# Altium PCB ESP32-SIM800C_Nhut_Hoang.PcbDoc (part 1 of 2) (continued)
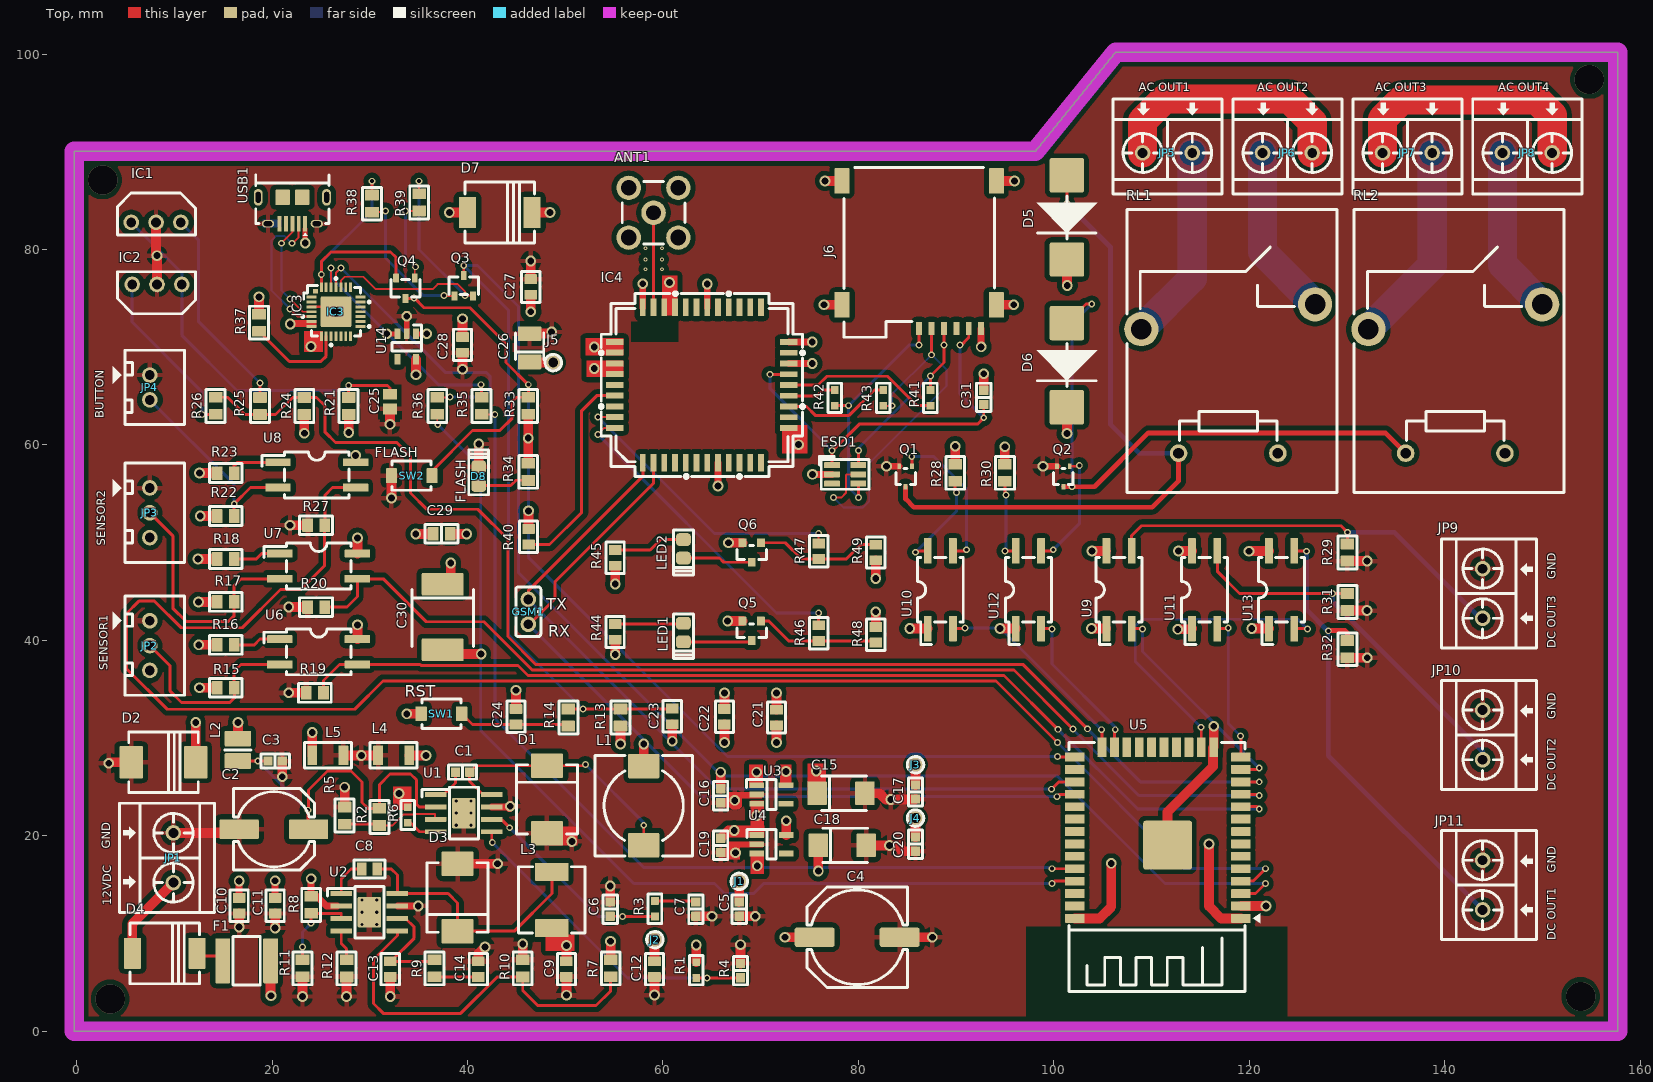
[diagram p0: Top view]
## Footprints (in the part's own frame and the unit in brackets; to place one, negate y for a bottom-side part, rotate by r counter-clockwise, add the part's x,y. Pads: shape width x height; smd on the part's side, far side on the other; paste and mask are expansions set on the pad)
"2# B560C" [mm] "Molded Diode, 2-Leads, Body 6.85x5.90mm, IPC Medium Density"
  rrect10% 2.5x3.3 smd mask+0.15: 1(-3.45,0) 2(3.45,0)
  silkscreen extent -3.55,-3.11 3.56,3.11, body extent -3.77,-3.11 3.77,3.11, height 2.5
"4# clf10040XX" [mm] "Precision Wire Wound Inductor, 2-Leads, Body 10.00x9.70mm, IPC Medium Density"
  rrect10% 2.5x3.2 smd mask+0.1: 1(-4.05,0) 2(4.05,0)
  silkscreen extent -5.15,-5 5.15,5, body extent -5,-4.85 5.2,4.85, height 4.1
"6# DTC143ZKAT146-E" [mm] "SOT-346 SMT3"
  rrect10% 0.6x0.9 smd mask+0.05: 1(0.95,-1.05) 2(-0.95,-1.05) 3(0,1.05)
  silkscreen extent -1.5,-0.9 1.5,0.9, body extent -1.45,-1.4 1.45,1.4, height 1.2
"9# SIM holder" [mm] "Micro SIM Push Connector SIM Card Connector with 6 Pin 1.35H"
  rrect10% 0.6x1.35 smd mask+0.1: 1(-5.07,7.553) 2(-2.53,7.553) 3(0.01,7.553) 5(-6.34,7.553) 6(-3.8,7.553) 7(-1.26,7.553)
  rrect10% 1.55x2.6 smd mask+0.1: 5(-7.9,5.127) 5(-7.9,-7.553) 5(7.9,5.127) 5(7.9,-7.553)
  silkscreen extent -7.7,-8.93 7.7,8.45, body extent -8.2,-8.9 8.2,8.3, height 1.35
"11# LQH32PN2R2" [mm] "NN0"
  rrect10% 1.6x2.7 smd mask+0.05: 1(-1.15,0) 2(1.15,0)
  silkscreen extent 0,-1.35 0,1.35, body extent -1.66,-1.22 1.54,1.28, height 1.5
"13# MF-SMDF050" [mm] "style1"
  rrect10% 1.5x4.6 smd mask+0.05: 1(-2.45,0) 2(2.45,0)
  silkscreen extent -1.4,-2.47 1.4,2.47, body extent -2.7,-2.48 2.7,2.43, height 1.05
"20# TLV73333PDBVR" [mm] "IC REG LINEAR 3.3V 300MA SOT23-5"
  rrect10% 0.6x1.1 smd: 1(-0.95,-1.3) 2(0,-1.3) 3(0.95,-1.3) 4(0.95,1.3) 5(-0.95,1.3)
  silkscreen extent -1.53,-2.2 1.53,0.46, body extent -1.5,-1.25 1.5,1.25, height 0.95
"21# TPS54360" [mm] "R-PDSO-G8,V Input, 3.5-A, Step-Down DC/DC Converter"
  rrect10% 0.5x2.2 smd mask+0.07: 1(-1.905,-2.875) 2(-0.635,-2.875) 3(0.635,-2.875) 4(1.905,-2.875) 5(1.905,2.875) 6(0.635,2.875) 7(-0.635,2.875) 8(-1.905,2.875)
  round 0.33 hole 0.33 mask+0.2: 9(-1.25,0.75) 9(-1.25,-0.75) 9(0,0.75) 9(0,-0.75) 9(1.25,0.75) 9(1.25,-0.75)
  rrect10% 3.1x2.4 smd mask+0: 9(0,0)
  silkscreen extent -2.65,-4.27 2.65,1.5, body extent -2.5,-3.1 2.5,3.1, height 1.53
"29# diode SMCJ36A" [mm] "DO-214AB (SMC J-Bend)"
  rrect10% 2.4x3.3 smd mask+0.1: 1(-3.3,0) 2(3.3,0)
  silkscreen extent -3.56,-3.11 3.55,3.11, body extent -3.97,-3.12 4.18,3.12, height 2.93
"30# SK56L-TPMSCT-ND" [mil] "SK56L-TPMSCT-ND(DO-214AB)"
  rrect10% 70x125 smd: 1(-130,0) 2(130,0)
  silkscreen extent -140,-122 140,122, body extent -156,-116 157,116, height 87
"36# ESDA6V1-5SC6" [mm] "SOT23-6L"
  rrect10% 0.6x1.6 smd mask+0.1: 1(0,-0.2) 2(0.95,-0.2) 3(1.9,-0.2) 4(1.9,2.5) 5(0.95,2.5) 6(0,2.5)
  silkscreen extent -0.9,-1.5 2.48,3.6, body extent -0.46,-0.02 2.34,2.4, height 1.09
ANT-SMA-ST-F [mm] "SMA Straight PCB Female Connector 50 ohm"
  round 2.5 hole 1.5 mask+0.1: 1(0,0)
  round 2.5 hole 1.6 mask+0.1: 2(-2.54,-2.54) 3(2.54,-2.54) 4(2.54,2.54) 5(-2.54,2.54)
  silkscreen extent -3.2,-3.2 3.2,3.2, body extent -3.2,-3.16 3.11,3.15, height 11.93
ASPI-7318-8R2M-TCT-ND [mm] "8.2µH Shielded Wirewound Inductor 4A 68 mOhm Max Nonstandard"
  rrect10% 1.85x3.45 smd: 1(-2.875,0) 2(2.875,0)
  silkscreen extent -3.4,-3.4 3.4,3.4, body extent -3.65,-3.4 3.65,3.4, height 3
"Button 3x4mm" [mm] "SMD 3x4mm"
  rrect10% 1.143x1.5 smd: 1(-2.075,0) 2(2.075,0)
  silkscreen extent -2,-1.5 2,1.5, body extent -2.25,-1.55 2.25,1.55, height 2.05
C0805 [mm] "Chip Capacitor, Body 2.0x1.3mm, IPC High Density"
  rect 1.1x1.4 smd: 1(-0.75,0) 2(0.75,0)
  body extent -1.1,-0.72 1.1,0.72, height 1.4
"CAP ALU CASE F SMD" [mm]
  rrect10% 4x2 smd mask+0.1: 1(-3.55,0) 2(3.55,0)
  silkscreen extent -4.15,-4.15 4.15,4.15, body extent -4.95,-4.15 4.95,4.15, height 10.2
"CAP ALU CASE G SMD" [mm]
  rrect25% 4.1x2 smd mask+0.1: 1(-4.35,0) 2(4.35,0)
  silkscreen extent -5.15,-5.15 5.15,5.15, body extent -5.8,-5.15 5.88,5.15, height 10.2
"Cap Ceramic 0603 SMD" [mm] "Reflow Soldering"
  rrect10% 0.95x0.95 smd mask+0.1: 1(-0.725,0) 2(0.725,0)
  silkscreen extent -1.45,-0.72 1.45,0.73, body extent -0.8,-0.4 0.8,0.4, height 0.85
"Cap Ceramic 0805 SMD" [mm] "Reflow Soldering"
  rrect10% 1.1x1.4 smd mask+0.1: 1(-0.875,0) 2(0.875,0)
  silkscreen extent -1.68,-0.95 1.68,0.95, body extent -1,-0.63 1,0.62, height 0.65
"CAP TANT CASE B SMD" [mm] "35x28mm"
  rrect10% 1.5x2.4 smd mask+0.1: 1(-1.45,0) 2(1.45,0)
  silkscreen extent -1.2,-1.45 1.5,1.45, body extent -1.75,-1.4 1.75,1.4, height 2
"CAP TANT CASE C SMD" [mm] "60x32mm"
  rrect10% 2x2.4 smd mask+0.1: 1(-2.45,0) 2(2.45,0)
  silkscreen extent -2,-1.75 2.6,1.75, body extent -2.99,-1.6 3.01,1.6, height 2.6
"CAP TANT CASE E SMD" [mm] "73x60"
  rrect10% 2.3x4.3 smd mask+0.1: 1(-3.35,0) 2(3.35,0)
  silkscreen extent -2.8,-3.15 3,3.15, body extent -3.65,-3 3.65,3, height 3.6
CAP_CERA_C2012(CC0805INCH) [mm] "Chip Capacitor, 2-Leads, Body 2.0x1.3mm, IPC Medium Density"
  rrect10% 1x1.3 smd: 1(-0.8,0) 2(0.8,0)
  silkscreen extent -1.6,-0.93 1.6,0.93, body extent -1,-0.6 1,0.6, height 0.95
CON2 [mm] "CON2"
  round 1.6 hole 1 mask+0.1: 1(-1.27,0) 2(1.27,0)
  silkscreen extent -3.81,-3.8 3.81,3.56, body extent -3.75,-2.29 3.75,3.41, height 7
CON3 [mm] "CON 3"
  round 1.6 hole 1 mask+0.1: 1(-2.54,0) 2(0,0) 3(2.54,0)
  silkscreen extent -5.08,-3.8 5.08,3.56, body extent -5,-2.29 5,3.41, height 7
CP2102-QFN28 [mm] "QFN28 5x5 pitch 0.5"
  rrect10% 0.3x1 smd mask+0.05: 1(-1.5,-2.5) 2(-1,-2.5) 3(-0.5,-2.5) 4(0,-2.5) 5(0.5,-2.5) 6(1,-2.5) 7(1.5,-2.5) 15(1.5,2.5) 16(1,2.5) 17(0.5,2.5) 18(0,2.5) 19(-0.5,2.5) 20(-1,2.5) 21(-1.5,2.5)
  rrect10% 1x0.3 smd mask+0.05: 8(2.5,-1.5) 9(2.5,-1) 10(2.5,-0.5) 11(2.5,0) 12(2.5,0.5) 13(2.5,1) 14(2.5,1.5) 22(-2.5,1.5) 23(-2.5,1) 24(-2.5,0.5) 25(-2.5,0) 26(-2.5,-0.5) 27(-2.5,-1) 28(-2.5,-1.5)
  rrect10% 3.15x3.15 smd mask+0.05: 29(0,0)
  round 1.4 hole 1 mask+0.2: 29(0,0)
  rrect10% 0.5x0.5 smd mask+0.05: ""(-2.1,-2.1)
  silkscreen extent -3.5,-3.5 3.5,3.5, body extent -2.5,-2.5 2.5,2.5, height 1
DOMINO_OSTTC_2P [mm] "15A PIN TO PIN 5.08MM ED2609-ND"
  round 1.6 hole 1 mask+0.1: 1(-2.54,0) 2(2.54,0)
  silkscreen extent -5.58,-4.2 5.58,5.5, body extent -5.42,-3.75 5.34,5.25, height 12.5
"ESP32 WROOM" [mm] "ESP32 WROOM"
  rrect10% 2x0.9 smd: 1(0,0) 2(0,-1.27) 3(0,-2.54) 4(0,-3.81) 5(0,-5.08) 6(0,-6.35) 7(0,-7.62) 8(0,-8.89) 9(0,-10.16) 10(0,-11.43) 11(0,-12.7) 12(0,-13.97) 13(0,-15.24) 14(0,-16.51) 25(17,-16.51) 26(17,-15.24) 27(17,-13.97) 28(17,-12.7) 29(17,-11.43) 30(17,-10.16) 31(17,-8.89) 32(17,-7.62) 33(17,-6.35) 34(17,-5.08) 35(17,-3.81) 36(17,-2.54) 37(17,-1.27) 38(17,0)
  rrect10% 0.9x2 smd: 15(2.785,-17.51) 16(4.055,-17.51) 17(5.325,-17.51) 18(6.595,-17.51) 19(7.865,-17.51) 20(9.135,-17.51) 21(10.405,-17.51) 22(11.675,-17.51) 23(12.945,-17.51) 24(14.215,-17.51)
  rrect10% 5x5 smd: 39(7.5,-7.5)
  silkscreen extent -2,-18.02 17.6,7.49, body extent -0.4,-17.92 17.6,7.58, height 2.89
Header_2 [mm] "Connector DIP, 2Pin_2.54mm"
  round 1.6 hole 1 mask+0.1: 1(-1.27,0) 2(1.27,0)
  silkscreen extent -2.54,-1.28 2.54,1.28, body extent -2.54,-1.27 2.54,1.27, height 10.1
"L 2520mm" [mm]
  rrect10% 1x2 smd mask+0.1: 1(-0.992,-2.9) 2(2.192,-2.9)
  silkscreen extent -1.8,-4.2 3,-1.6, body extent -1,-3.7 2.2,-2.1, height 0.65
"Led 0805G" [mm] "Chip LED; Green; Body 2.0 x 1.3 mm (LxW typ)"
  rrect50% 1.3x1.5 smd: 1(-0.95,0) 2(0.95,0)
  silkscreen extent -1.91,-1.02 2.67,1.02, body extent -1.04,-0.62 0.98,0.62, height 1.1
"Led 0805R" [mm] "Chip LED; RED ; Body 2.0 x 1.3 mm (LxW typ)"
  rrect50% 1.3x1.5 smd: 1(-0.95,0) 2(0.95,0)
  silkscreen extent -1.91,-1.02 2.67,1.02, body extent -1.01,-0.63 1.01,0.62, height 1.1
"MCH3209-TL-E  SOT-323" [mm] "TRANS NPN 30V 3A MCPH3  SOT-323"
  rrect10% 0.4x0.6 smd mask+0.1: 1(-0.65,-1.05) 2(0.65,-1.05) 3(0,1.05)
  silkscreen extent -1,-0.8 1.1,0.8, body extent -1.05,-1.15 1.05,1.15, height 0.9
MMBT2222A [mm] "SOT-23"
  rrect10% 0.8x0.9 smd mask+0.1: 1(-0.95,-1) 2(0.95,-1) 3(0,1)
  silkscreen extent -1.52,-0.7 1.52,0.7, body extent -1.46,-1.2 1.46,1.14, height 1.08
"Relay T9GV1L14-5 30A 5V" [mm] "Relay T9GV1L14-5 30A 5V CODE FORM C"
  round 1.8 hole 1.1: 1(5.08,-11.43) 2(-5.08,-11.43)
  round 3.5 hole 2.1: 3(-8.89,1.27) 4(8.89,3.81)
  silkscreen extent -10.37,-15.47 11.13,13.53, body extent -10.45,-15.34 10.95,13.56, height 15.24
"Res 0603 SMD" [mm] "Reflow Soldering"
  rrect5% 0.8x0.8 smd mask+0.1: 1(-0.8,0) 2(0.8,0)
  silkscreen extent -1.5,-0.7 1.5,0.7, body extent -0.8,-0.4 0.8,0.4, height 0.48
"Res 0805 SMD" [mm] "Reflow Soldering"
  rrect10% 1.1x1.4 smd mask+0.1: 1(-0.875,0) 2(0.875,0)
  silkscreen extent -1.69,-0.97 1.67,0.96, body extent -1,-0.62 1,0.63, height 0.62
RESC2012(0805) [mm] "Chip Resistor, Body 2.0x1.3mm, 1/8W 0805"
  rrect10% 1x1.3 smd: 1(-0.8,0) 2(0.8,0)
  silkscreen extent -1.6,-0.93 1.6,0.93, body extent -1,-0.62 1,0.63, height 0.6
SIM800C [mm]
  rrect5% 1.8x0.6 smd mask+0.1: 1(-7.95,6.039) 2(-7.95,4.939) 3(-7.95,3.839) 4(-7.95,2.739) 5(-7.95,1.639) 6(-7.95,0.539) 7(-7.95,-0.561) 8(-7.95,-1.661) 9(-7.95,-2.761) 10(-7.95,-3.861) 11(-7.95,-4.961) 12(-7.95,-6.061) 22(7.95,-6.061) 23(7.95,-4.961) 24(7.95,-3.861) 25(7.95,-2.761) 26(7.95,-1.661) 27(7.95,-0.561) 28(7.95,0.539) 29(7.95,1.639) 30(7.95,2.739) 31(7.95,3.839) 32(7.95,4.939) 33(7.95,6.039)
  rrect5% 0.6x1.8 smd mask+0.1: 13(-4.4,-8.911) 14(-3.3,-8.911) 15(-2.2,-8.911) 16(-1.1,-8.911) 17(0,-8.911) 18(1.1,-8.911) 19(2.2,-8.911) 20(3.3,-8.911) 21(4.4,-8.911) 34(4.416,8.911) 35(3.316,8.911) 36(2.216,8.911) 37(1.116,8.911) 38(0.016,8.911) 39(-1.084,8.911) 40(-2.184,8.911) 41(-3.284,8.911) 42(-4.384,8.911)
  Top pour cut-out: 4.445,7.239 4.445,2.413 6.477,2.413 6.477,7.239
  silkscreen extent -9.45,-10.41 9.45,10.4, body extent -7.85,-8.84 7.85,8.76, height 2.32
SSC53L-E3/57T [mm] "DIODE SCHOTTKY 30V 5A DO214AB"
  rrect10% 3.52x3.52 smd mask+0.1: 1(-4.305,0) 2(4.305,0)
  silkscreen extent -2.2,-3.1 2.2,3.1, body extent -4.07,-3.05 4.06,3.05, height 2.4
"TEST POINT 1mm" [mm]
  round 1.5 hole 1 mask+0.1: 1(0,0)
  silkscreen extent -0.85,-0.85 0.85,0.85
"TLV73333PDBVR - SOT23-65" [mm] "IC REG LINEAR 3.3V 300MA SOT23-5"
  rrect10% 0.6x1.5 smd: 1(-0.95,-1.5) 2(0,-1.5) 3(0.95,-1.5) 4(0.95,1.5) 5(-0.95,1.5)
  silkscreen extent -1.53,-2.53 1.53,0.46, body extent -1.5,-1.25 1.5,1.25, height 1.05
TPC817-4SOP [mm] "OPTOISO 5KV TRANS 4SOP"
  rrect10% 2.6x0.8 smd: 1(-3.975,1.295) 2(-3.975,-1.295) 3(3.975,-1.295) 4(3.975,1.295)
  silkscreen extent -5.6,-2.35 3.3,2.35, body extent -3.5,-1.92 3.5,1.93, height 2
TSOP1838 [mm] "Connector DIP, 3Pin_2.54mm"
  round 1.6 hole 1 unplated mask+0.1: 1(-2.375,-1.542) 2(0.165,-1.542) 3(2.705,-1.542)
  silkscreen extent -3.78,-2.84 4.22,1.46, body extent -3.27,-2.59 3.53,2.41, height 22.9
"USB_MICRO_B - Digikey" [mm] "USB_MICRO_B, 609-4618-1-ND"
  rrect10% 0.4x1.6 smd: 1(0,0) 2(0.65,0) 3(1.3,0) 4(1.95,0) 5(2.6,0)
  oval 1.25x0.8 hole 0.85 slot 0.5 at 90 deg: 6(-1.2,0) 7(3.8,0)
  oval 0.9x1.7 hole 0.5 slot 1.1 at 90 deg: 8(-2.2,-2.7) 9(4.8,-2.7)
  rrect10% 1.5x1.55 smd: ""(0.3,-2.7) ""(2.3,-2.7)
  silkscreen extent -2.45,-5 5.05,1.22, body extent -2.45,-5 5.05,0.29, height 2.61

## Part data
C1 C5 C16 C17 C19 C20 C31: "CAP CER 0.1UF 50V 10% X7R 0603", Capacitance=0.1µF, Manufacturer="Murata Electronics North America", Manufacturer Part Number=GRM188R71H104KA93D, Operating Temperature="-55°C ~ 125°C", Package / Case="0603 (1608 Metric)", Ratings=-, Supplier Part Number 1=490-1519-1-ND, Temperature Coefficient=X7R, Tolerance=±10%, Voltage - Rated=50V, Applications="General Purpose", Category=Capacitors, ComponentLink1Description=http://www.murata.com/~/media/webrenewal/support/library/catalog/products/capacitor/mlcc/c02e.ashx, ComponentLink1URL=http://www.murata.com/~/media/webrenewal/support/library/catalog/products/capacitor/mlcc/c02e.ashx, Features=-, Height - Seated (Max)=-, Lead Spacing=-, Lead Style=-, Mounting Type="Surface Mount, MLCC", Packaging="Tape & Reel (TR)", RoHS="RoHS Compliant", Size / Dimension="0.063\" L x 0.031\" W (1.60mm x 0.80mm)", Supplier 1=Digi-Key, Thickness (Max)="0.035\" (0.90mm)"
C2: library part "100uF/50V/ALU 8X11.5/20%", "CAP ALU 100UF 20% 50V RADIAL", Capacitance=100µF, ESR (Equivalent Series Resistance)=-, Lifetime @ Temp.="2000 Hrs @ 85°C", Manufacturer="Panasonic Electronic Components", Manufacturer Part Number=ECA-1HM101B, Operating Temperature="-40°C ~ 85°C", Package / Case="Radial, Can", Ripple Current=250mA, Supplier Part Number 1=1586585, Tolerance=±20%, Voltage Rating=50V, Applications="General Purpose", Category=Capacitors, ComponentLink1Description=http://industrial.panasonic.com/www-cgi/jvcr13pz.cgi?E+PZ+3+ABA0012+ECA1HM101B+7+WW, ComponentLink1URL=http://industrial.panasonic.com/www-cgi/jvcr13pz.cgi?E+PZ+3+ABA0012+ECA1HM101B+7+WW, Height - Seated (Max)="0.492\" (12.50mm)", Impedance=-, Lead Spacing="0.197\" (5.00mm)", Mounting Type="Through Hole", Packaging="Tape & Box (TB)", RoHS="RoHS Compliant", Size / Dimension="0.315\" Dia (8.00mm)", Supplier 1="Future Electronics", Surface Mount Land Size=-, Type=-
C3: "CAP CER 1UF 50V X7R 0603", Capacitance=1µF, Manufacturer="Samsung Electro-Mechanics America, Inc.", Manufacturer Part Number=CL21B105KBFNNNE, Operating Temperature="-55°C ~ 125°C", Package / Case="0805 (2012 Metric)", Ratings=-, Supplier Part Number 1=1276-1029-1-ND, Temperature Coefficient=X7R, Tolerance=±10%, Voltage - Rated=50V, Applications="General Purpose", Category=Capacitors, ComponentLink1Description=http://www.samsungsem.com/kr/support/product-search/mlcc/CL21B105KBFNNNE.jsp, ComponentLink1URL=http://www.samsungsem.com/kr/support/product-search/mlcc/CL21B105KBFNNNE.jsp, Features=-, Height - Seated (Max)=-, Lead Spacing=-, Lead Style=-, Mounting Type="Surface Mount, MLCC", Packaging="Cut Tape (CT)", RoHS="RoHS Compliant", Size / Dimension="0.079\" L x 0.049\" W (2.00mm x 1.25mm)", Supplier 1=Digi-Key, Thickness (Max)="0.053\" (1.35mm)"
C4: library part 330uF/50V/ALU12.5X20mm/20%/7000Hrs, "CAP ALU 330UF 20% 50V SMD", ESR (Equivalent Series Resistance)=-, Lifetime @ Temp.="7000 Hrs @ 105°C", Manufacturer=Nichicon, Manufacturer Part Number=UPW1J331MHD, Operating Temperature="-55°C ~ 105°C", Package / Case="Radial, Can", Ripple Current - High Frequency="1.29A @ 100kHz", Ripple Current - Low Frequency="838.5mA @ 120Hz", Supplier Part Number 1=PCE5121TR-ND, Tolerance=±20%, Applications="General Purpose", Category=Capacitors, ComponentLink1Description=http://nichicon-us.com/english/products/pdfs/e-upw.pdf, ComponentLink1URL=http://nichicon-us.com/english/products/pdfs/e-upw.pdf, Height - Seated (Max)="0.787\" (20.00mm)", Lead Spacing="0.197\" (5.00mm)", Mounting Type="Through Hole", Packaging=Bulk, Part Status=Active, Polarization=Polar, RoHS="RoHS Compliant", Size / Dimension="0.492\" Dia (12.50mm)", Supplier 1=Digi-Key, Surface Mount Land Size=-
C6: "Cap Ceramic 56pF 50V C0G 5% SMD 0603 125C Paper T/R", Capacitance=56pF, Case Code (Imperial)=0603, Case Code (Metric)=1608, Dielectric=C0G, Manufacturer=Samsung, Manufacturer Part Number=CL10C560JB8NNNC, Max Operating Temperature=125°C, Min Operating Temperature=-55°C, Package Quantity=1, Supplier Part Number 1=1276-1197-1-ND, Temperature Coefficient=30ppm/°C, Tolerance=5%, Voltage=50V, Case/Package=0603, Depth=0.8mm, Height=0.8mm, Lead Free="Lead Free", Length=1.6mm, Material=Ceramic, Mount="Surface Mount", Packaging="Tape and Reel", Pricing 1="1=0.1, 10=0.056, 100=0.0251, 500=0.0179, 1000=0.0141 (USD)", Radiation Hardening=No, Stock 1=40000, Supplier 1=Digi-Key, Termination=SMD/SMT, Thickness=0.035inch, Voltage Rating=50V, Voltage Rating (DC)=50V, Width=0.031inch
C7: "CAP CER 10000PF 50V X7R 0603", Capacitance=10000pF, Manufacturer="Murata Electronics North America", Manufacturer Part Number=GRM188R71H103KA01D, Operating Temperature="-55°C ~ 125°C", Package / Case="0603 (1608 Metric)", Ratings=-, Supplier Part Number 1=490-1512-1-ND, Temperature Coefficient=X7R, Tolerance=±10%, Voltage - Rated=50V, Applications="General Purpose", Category=Capacitors, ComponentLink1Description=http://www.murata.com/~/media/webrenewal/support/library/catalog/products/capacitor/mlcc/c02e.ashx, ComponentLink1URL=http://www.murata.com/~/media/webrenewal/support/library/catalog/products/capacitor/mlcc/c02e.ashx, Features=-, Height - Seated (Max)=-, Lead Spacing=-, Lead Style=-, Mounting Type="Surface Mount, MLCC", Packaging="Cut Tape (CT)", RoHS="RoHS Compliant", Size / Dimension="0.063\" L x 0.031\" W (1.60mm x 0.80mm)", Supplier 1=Digi-Key, Thickness (Max)="0.035\" (0.90mm)"
C8: library part 0.1uF/50V/C0603/10%, "0.1µF ±10% 25V Ceramic Capacitor X7R 0805 (2012 Metric)", Manufacturer="AVX Corporation", ComponentLink1Description=http://www.murata.com/~/media/webrenewal/support/library/catalog/products/capacitor/mlcc/c02e.ashx, ComponentLink1URL=http://www.murata.com/~/media/webrenewal/support/library/catalog/products/capacitor/mlcc/c02e.ashx, Digikey=478-3755-1-ND
C9 C12: library part 0.1uF/50V/C0603/10%, "47µF ±20% 10V Ceramic Capacitor X5R 0805 (2012 Metric)", Manufacturer=Murata, ComponentLink1Description=http://www.murata.com/~/media/webrenewal/support/library/catalog/products/capacitor/mlcc/c02e.ashx, ComponentLink1URL=http://www.murata.com/~/media/webrenewal/support/library/catalog/products/capacitor/mlcc/c02e.ashx, Digikey=490-9961-1-ND
C10 C11: library part 1uF/50V/C0603/10%, "2.2µF ±10% 50V Ceramic Capacitor JB 0805 (2012 Metric)", Manufacturer=TDK, ComponentLink1Description=http://www.samsungsem.com/kr/support/product-search/mlcc/CL21B105KBFNNNE.jsp, ComponentLink1URL=http://www.samsungsem.com/kr/support/product-search/mlcc/CL21B105KBFNNNE.jsp, Digikey=445-11501-1-ND
C13: library part 56pF/50V/C0603/5%, "39pF ±10% 50V Ceramic Capacitor C0G, NP0 0805 (2012 Metric)", Manufacturer=KEMET, Digikey=399-9232-1-ND
C14: library part 10nF/50V/C0603/10%, "6800pF ±10% 25V Ceramic Capacitor X7R 0805 (2012 Metric)", Manufacturer="Wurth Electronics Inc.", ComponentLink1Description=http://www.murata.com/~/media/webrenewal/support/library/catalog/products/capacitor/mlcc/c02e.ashx, ComponentLink1URL=http://www.murata.com/~/media/webrenewal/support/library/catalog/products/capacitor/mlcc/c02e.ashx, Digikey=732-8054-1-ND
C15 C18: library part TAJB106M025RNJ, "Tantalum Capacitors - Solid SMD 25v 10uF 20%Tol Code C", Capacitance=10uF, Case Code (Imperial)=1210, Case Code (Metric)=3528, ESR (Equivalent Series Resistance)=2.5R, Leakage Current=2.5uA, Manufacturer="Kyocera AVX", Max Operating Temperature=125°C, Min Operating Temperature=-55°C, Package Quantity=2000, Supplier Part Number 1=478-8887-1-ND, Tolerance=20%, Voltage Rating=25V, Case/Package=1210, Depth=2.8mm, Dissipation Factor=6%, Features="General Purpose", Height=2.1mm, Height - Seated (Max)=0.083inch, Lead Free="Lead Free", Length=3.5mm, Manufacturer Part Number=TAJB106M025RNJ, Mount="Surface Mount", Packaging="Tape and Reel", Polarity=Polar, Pricing 1="1=0.74, 10=0.524, 100=0.3453, 500=0.2558, 1000=0.2174 (USD)", Stock 1=10615, Supplier 1=Digi-Key, Termination=SMD/SMT, Voltage Rating (DC)=25V, Weight=0.000564oz, Width=0.11inch
C21: library part 0.1uF/50V/C0603/10%, "22µF ±20% 25V Ceramic Capacitor X5R 0805 (2012 Metric)", Manufacturer="Tariff Applied", ComponentLink1Description=http://www.murata.com/~/media/webrenewal/support/library/catalog/products/capacitor/mlcc/c02e.ashx, ComponentLink1URL=http://www.murata.com/~/media/webrenewal/support/library/catalog/products/capacitor/mlcc/c02e.ashx, Digikey=1276-2908-1-ND
C22 C23 C24 C28: library part 0.1uF/50V/C0603/10%, "0.1µF ±10% 25V Ceramic Capacitor X7R 0805 (2012 Metric)", ComponentLink1Description=http://www.murata.com/~/media/webrenewal/support/library/catalog/products/capacitor/mlcc/c02e.ashx, ComponentLink1URL=http://www.murata.com/~/media/webrenewal/support/library/catalog/products/capacitor/mlcc/c02e.ashx, Digikey=478-3755-1-ND
C25: "Polarized Capacitor (Radial)", LatestRevisionDate=17-Jul-2002, LatestRevisionNote="Re-released for DXP Platform.", PackageDescription="Polarized Capacitor (Radial); 2 Leads", PackageReference=RB7.6-15, Published=8-Jun-2000, Publisher="Altium Limited"
C26: library part TAJB106M025RNJ, "10µF Molded Tantalum Capacitors 25V 1411 (3528 Metric) 3 Ohm", Manufacturer=KEMET, Digikey=399-5125-1-ND
C27: library part 0.1uF/50V/C0603/10%, "0.1µF ±10% 25V Ceramic Capacitor X7R 0805 (2012 Metric)", Manufacturer=KEMET, ComponentLink1Description=http://www.murata.com/~/media/webrenewal/support/library/catalog/products/capacitor/mlcc/c02e.ashx, ComponentLink1URL=http://www.murata.com/~/media/webrenewal/support/library/catalog/products/capacitor/mlcc/c02e.ashx, Digikey=478-3755-1-ND
C29: library part CapSMD, LatestRevisionDate=17-Jul-2002, LatestRevisionNote="Re-released for DXP Platform.", PackageReference=RAD-0.3, Published=8-Jun-2000, Publisher="Altium Limited"
C30: library part CAP1210-Tan
D1: "DIODE SCHOTTKY 60V 5A SMC", Average Rectified Current=5A, Capacitance=300pF, Case/Package=SMC, Forward Voltage=700mV, Manufacturer=Diodes, Manufacturer Part Number=B560C-13-F, Max Forward Surge Current (Ifsm)=100A, Max Operating Temperature=125°C, Max Repetitive Reverse Voltage (Vrrm)=60V, Min Operating Temperature=-55°C, Package Quantity=3000, Peak Reverse Current=500uA, Supplier Part Number 1=B560C-FDICT-ND, Contact Plating=Matte,Tin, Current Rating=5A, Element Configuration=Single, Forward Current=5A, Height=2.5mm, Lead Free="Lead Free", Length=7.11mm, Max Reverse Voltage (DC)=60V, Mount="Surface Mount", Number of Pins=2, Output Current=5A, Packaging="Tape and Reel", Peak Non-Repetitive Surge Current=100A, Polarity=Standard, Pricing 1="1=0.55, 10=0.467, 100=0.349, 500=0.2742, 1000=0.2119 (USD)", Radiation Hardening=No, REACH SVHC="No SVHC", Stock 1=183351, Supplier 1=Digi-Key, Termination=SMD/SMT, Voltage Rating (DC)=60V, Weight=0.007408oz, Width=6.22mm
D2: "TVS DIODE 36VWM 58.1VC SMC", Breakdown Voltage=40V, Clamping Voltage=58.1V, Leakage Current=1uA, Manufacturer=Littelfuse, Manufacturer Part Number=SMCJ36CA, Max Breakdown Voltage=44.2V, Max Operating Temperature=150°C, Max Power Dissipation=6.5W, Max Surge Current=25.9A, Min Operating Temperature=-55°C, Operating Supply Voltage=36V, Package Quantity=3000, Peak Pulse Power=1.5kW, Power Line Protection=No, Supplier Part Number 1=SMCJ36CALFCT-ND, Test Current=1mA, Composition=Zener, Direction=Bidirectional, Height=2.62mm, Lead Free="Lead Free", Length=8.13mm, Min Breakdown Voltage=40V, Mount="Surface Mount", Number of Bidirectional Channels=1, Number of Channels=1, Number of Elements=1, Number of Pins=2, Packaging="Tape and Reel", Peak Pulse Current=25.9A, Polarity=Bidirectional, Power Dissipation=1.5kW, Pricing 1="1=0.7, 10=0.587, 25=0.514, 100=0.4406, 250=0.3818, 500=0.3231, 1000=0.2497 (USD)", Radiation Hardening=No, REACH SVHC="No SVHC", Reverse Breakdown Voltage=40V, Reverse Standoff Voltage=36V, Stock 1=75326, Supplier 1=Digi-Key, Termination=SMD/SMT, Voltage Rating (DC)=36V, Width=6.22mm
D3: library part 2#B560C-13-F, "DIODE SCHOTTKY 60V 5A SMC", Digikey=B560C-FDICT-ND
D4 D7: library part "30# SK56L-TP", "DIODE SCHOTTKY 60V 5A DO214AB", ComponentLink1Description=http://www.mccsemi.com/up_pdf/SK52L-SK510L(DO-214AB).PDF, ComponentLink1URL=http://www.mccsemi.com/up_pdf/SK52L-SK510L(DO-214AB).PDF, Digikey=SK56L-TPMSCT-ND
D5 D6: library part 10A10, "DIODE SCHOTTKY 30V 5A DO214AB", ComponentLink1Description=Datasheet, ComponentLink1URL="D:\Dropbox\Datasheets\Diodes and Rectifiers\Diodes\10AXX.pdf", Digikey=SSC53L-E3/57TGICT-ND
D8: library part "LED GREEN 0603", "Green 571nm LED Indication - Discrete 2V 0805 (2012 Metric)", ComponentLink1Description=http://optoelectronics.liteon.com/upload/download/DS22-2000-074/S_110_LTST-C190KGKT.pdf, ComponentLink1URL=http://optoelectronics.liteon.com/upload/download/DS22-2000-074/S_110_LTST-C190KGKT.pdf, Digikey=160-1426-1-ND
ESD1: "TRANSIL™ ARRAY FOR ESD PROTECTION", Supplier Part Number 1=ESDA6V1-5SC6, Supplier 1="Future Electronics"
F1: library part 13#MF-SMDF050-2, "PTC RESET FUSE 60V 550MA 2018", Digikey=MF-SMDF050-2CT-ND
GSM1: "Header, 2-Pin", LatestRevisionDate=17-Jul-2002, LatestRevisionNote="Re-released for DXP Platform.", Publisher="Altium Limited"
IC3: library part CP2102, "USB Bridge, USB to UART USB 2.0 UART Interface 28-QFN (5x5)", Digikey=336-3694-ND, VNBuy=https://banlinhkien.vn/goods-2607-cp2102-qfn28.html
IC4: "SIM800C V1.00"
J1 J2 J3 J4 J5: library part "PAD 1mm", "TPoint"
J6: library part "9#SIM Card Holder KF-016", "https://www.alibaba.com/product-detail/Micro-SIM-Push-Connector-SIM-Card_60749325624.html?spm=a2700.7724838.2017115.23.25ee5ac4b0uZwo"
JP1 JP4 JP5 JP6 JP7 JP8 JP9 JP10 JP11: library part Con2, "2 Position Wire to Board Terminal Block Horizontal with Board 0.200\" (5.08mm) Through Hole", Digikey=ED2609-ND
JP2 JP3: library part Con3, "3 Position Wire to Board Terminal Block Horizontal with Board 0.200\" (5.08mm) Through Hole", Digikey=ED2610-ND
L1: "FIXED IND 15uH 3.2A 40 MOHM (10.0×9.7×3.8)", Supplier Part Number 1=88T8116, Supplier 1=Newark
L2: "Inductor Power Chip Shielded Wirewound 2.2uH 30% 1MHz Ferrite 1.6A 91.2mOhm DCR 1210 Embossed T/R", Case Code (Imperial)=1210, Case Code (Metric)=3225, Current Rating=1.6A, DC Resistance (DCR)=76mR, Inductance=2.2uh, Inductance Tolerance=30%, Manufacturer=Murata, Manufacturer Part Number=LQH32PN2R2NN0L, Max DC Current=1.55A, Max Operating Temperature=85°C, Min Operating Temperature=-40°C, Package Quantity=1, Self Resonant Frequency=70MHz, Supplier Part Number 1=490-5336-1-ND, Test Frequency=1MHz, Case/Package=1210, Composition=Wirewound, Core Material=Ferrite, DC Current=1.6A, Depth=2.8mm, Height=2mm, Height - Seated (Max)=0.067inch, Lead Free="Lead Free", Length=3.2mm, Military Standard=Not, Mount="Surface Mount", Packaging="Tape and Reel", Pricing 1="1=0.41, 10=0.361, 100=0.2483, 500=0.2122, 1000=0.1625 (USD)", Radiation Hardening=No, REACH SVHC="No SVHC", Saturation Current=1.55A, Shielding=Shielded, Stock 1=21482, Supplier 1=Digi-Key, Termination=SMD/SMT, Tolerance=30%, Weight=0.001552oz, Width=2.5mm
L3: library part Inductor, "8.2µH Shielded Wirewound Inductor 4A 68 mOhm Max Nonstandard", Digikey=ASPI-7318-8R2M-TCT-ND
L4 L5: library part L1, "Inductor"
LED1 LED2: library part LED0805, "LED SMD 0805"
Q1 Q2: library part 2SC1815, "Bipolar (BJT) Transistor NPN 30V 3A 450MHz 800mW Surface Mount 3-MCPH", ComponentLink1Description=Datasheet, ComponentLink1URL="D:\Dropbox\Datasheets\Transistors\P Channel Bipolar\2SC1815.pdf", Digikey=MCH3209-TL-EOSCT-ND
Q3 Q4: library part 6#DTC143ZKAT146, "Pre-Biased Bipolar Transistor (BJT) NPN - Pre-Biased 50V 100mA 250MHz 200mW Surface Mount SMT3", Digikey=DTC143ZKAT146CT-ND
R1 R3: "RES SMD 15K OHM 1% 1/10W 0603", Manufacturer=Yageo, Manufacturer Part Number=RC0603FR-0715KL, Operating Temperature="-55°C ~ 155°C", Package / Case="0603 (1608 Metric)", Power (Watts)="0.1W, 1/10W", Resistance (Ohms)=15k, Supplier Device Package=0603, Supplier Part Number 1=311-15.0KHRCT-ND, Temperature Coefficient=±100ppm/°C, Tolerance=±1%, Category=Resistors, ComponentLink1Description=http://www.yageo.com/NewPortal/yageodocoutput?fileName=/pdf/R-Chip/PYu-RC_Group_51_RoHS_L_3.pdf, ComponentLink1URL=http://www.yageo.com/NewPortal/yageodocoutput?fileName=/pdf/R-Chip/PYu-RC_Group_51_RoHS_L_3.pdf, Composition="Thick Film", Features="Moisture Resistant", Height="0.022\" (0.55mm)", Number of Terminations=2, Packaging=Digi-Reel®, RoHS="RoHS Compliant", Size / Dimension="0.063\" L x 0.031\" W (1.60mm x 0.80mm)", Supplier 1=Digi-Key
R2: "RES SMD 249K OHM 1% 1/10W 0805", Manufacturer=Yageo, Manufacturer Part Number=RC0603FR-07249KL, Operating Temperature="-55°C ~ 155°C", Package / Case="0603 (1608 Metric)", Power (Watts)="0.1W, 1/10W", Supplier Device Package=0603, Temperature Coefficient=±100ppm/°C, Tolerance=±1%, Category=Resistors, ComponentLink1Description=http://www.yageo.com/documents/recent/PYu-RC_Group_51_RoHS_L_8.pdf, ComponentLink1URL=http://www.yageo.com/documents/recent/PYu-RC_Group_51_RoHS_L_8.pdf, Composition="Thick Film", Failure Rate=-, Features="Moisture Resistant", Height - Seated (Max)="0.022\" (0.55mm)", Packaging="Cut Tape (CT)", Part Status=Active, Pricing 1="1=0.1, 10=0.015, 100=0.006, 1000=0.00268, 2500=0.00233 (USD)", RoHS="RoHS Compliant", Size / Dimension="0.063\" L x 0.032\" W (1.60mm x 0.80mm)", Stock 1=370515, Supplier 1=Digi-Key
R4: "RES SMD 3.3K OHM 1% 1/10W 0603", Manufacturer=Yageo, Manufacturer Part Number=RC0603FR-073K3L, Operating Temperature="-55°C ~ 155°C", Package / Case="0603 (1608 Metric)", Power (Watts)="0.1W, 1/10W", Resistance (Ohms)=3.3k, Supplier Device Package=0603, Supplier Part Number 1=311-3.30KHRCT-ND, Temperature Coefficient=±100ppm/°C, Tolerance=±1%, Category=Resistors, ComponentLink1Description=http://www.yageo.com/NewPortal/yageodocoutput?fileName=/pdf/R-Chip/PYu-RC_Group_51_RoHS_L_3.pdf, ComponentLink1URL=http://www.yageo.com/NewPortal/yageodocoutput?fileName=/pdf/R-Chip/PYu-RC_Group_51_RoHS_L_3.pdf, Composition="Thick Film", Features="Moisture Resistant", Height="0.022\" (0.55mm)", Number of Terminations=2, Packaging=Digi-Reel®, RoHS="RoHS Compliant", Size / Dimension="0.063\" L x 0.031\" W (1.60mm x 0.80mm)", Supplier 1=Digi-Key
R5: "Thick Film Resistors - SMD 34.8K OHM 1% 0805", Case Code (Imperial)=0603, Case Code (Metric)=1608, Manufacturer=Yageo, Manufacturer Part Number=RC0603FR-0734K8L, Max Operating Temperature=155°C, Min Operating Temperature=-55°C, Power Rating=100mW, Resistance=34.8kR, Supplier Part Number 1=311-34.8KHRCT-ND, Temperature Coefficient=100ppm/°C, Tolerance=1%, Voltage Rating=50V, Case/Package=0603, Composition="Thick Film", Depth=0.8mm, Height=0.45mm, Lead Free="Lead Free", Length=1.6mm, Military Standard=Not, Packaging="Tape and Reel", Pricing 1="1=0.1, 10=0.026, 100=0.0107, 1000=0.0048, 2500=0.0042 (USD)", Stock 1=82861, Supplier 1=Digi-Key, Termination=SMD/SMT, Voltage Rating (DC)=50V, Width=0.8mm
R6: "RES SMD 200K OHM 1% 1/10W 0603", Manufacturer=Yageo, Manufacturer Part Number=RC0603FR-07200KL, Operating Temperature="-55°C ~ 155°C", Package / Case="0603 (1608 Metric)", Power (Watts)="0.1W, 1/10W", Supplier Device Package=0603, Supplier Part Number 1=311-200KHRCT-ND, Temperature Coefficient=±100ppm/°C, Tolerance=±1%, Category=Resistors, ComponentLink1Description=http://www.yageo.com/documents/recent/PYu-RC_Group_51_RoHS_L_7.pdf, ComponentLink1URL=http://www.yageo.com/documents/recent/PYu-RC_Group_51_RoHS_L_7.pdf, Composition="Thick Film", Failure Rate=-, Features="Moisture Resistant", Height - Seated (Max)="0.022\" (0.55mm)", Packaging="Cut Tape (CT)", Part Status=Active, Pricing 1="1=0.1, 10=0.015, 100=0.006, 1000=0.00268, 2500=0.00233 (USD)", RoHS="RoHS Compliant", Size / Dimension="0.063\" L x 0.031\" W (1.60mm x 0.80mm)", Stock 1=924437, Supplier 1=Digi-Key
R7: library part 15K/R0603/1%, "53.6 kOhms ±1% 0.125W, 1/8W Chip Resistor 0805 (2012 Metric) Automotive AEC-Q200 Thick Film", ComponentLink1Description=http://www.yageo.com/NewPortal/yageodocoutput?fileName=/pdf/R-Chip/PYu-RC_Group_51_RoHS_L_3.pdf, ComponentLink1URL=http://www.yageo.com/NewPortal/yageodocoutput?fileName=/pdf/R-Chip/PYu-RC_Group_51_RoHS_L_3.pdf, Digikey=541-53.6KCCT-ND
R8: library part 249K/R0805/1%, "523 kOhms ±1% 0.125W, 1/8W Chip Resistor 0805 (2012 Metric) Automotive AEC-Q200 Thick Film", ComponentLink1Description=http://www.yageo.com/documents/recent/PYu-RC_Group_51_RoHS_L_8.pdf, ComponentLink1URL=http://www.yageo.com/documents/recent/PYu-RC_Group_51_RoHS_L_8.pdf, Digikey=541-523KCCT-ND
R9: library part 15K/R0603/1%, "13 kOhms ±1% 0.125W, 1/8W Chip Resistor 0805 (2012 Metric) Automotive AEC-Q200 Thick Film", ComponentLink1Description=http://www.yageo.com/NewPortal/yageodocoutput?fileName=/pdf/R-Chip/PYu-RC_Group_51_RoHS_L_3.pdf, ComponentLink1URL=http://www.yageo.com/NewPortal/yageodocoutput?fileName=/pdf/R-Chip/PYu-RC_Group_51_RoHS_L_3.pdf, Digikey=541-13.0KCCT-ND
R10: library part 3.3K/R0603/1%, "10.2 kOhms ±1% 0.125W, 1/8W Chip Resistor 0805 (2012 Metric) Automotive AEC-Q200 Thick Film", ComponentLink1Description=http://www.yageo.com/NewPortal/yageodocoutput?fileName=/pdf/R-Chip/PYu-RC_Group_51_RoHS_L_3.pdf, ComponentLink1URL=http://www.yageo.com/NewPortal/yageodocoutput?fileName=/pdf/R-Chip/PYu-RC_Group_51_RoHS_L_3.pdf, Digikey=541-10.0KCCT-ND
R11: library part 34.8K/R0805/1%, "84.5 kOhms ±1% 0.125W, 1/8W Chip Resistor 0805 (2012 Metric) Automotive AEC-Q200 Thick Film", Digikey=541-84.5KCCT-ND
R12: library part 200K/R0603/1%, "162 kOhms ±1% 0.125W, 1/8W Chip Resistor 0805 (2012 Metric) Automotive AEC-Q200 Thick Film", ComponentLink1Description=http://www.yageo.com/documents/recent/PYu-RC_Group_51_RoHS_L_7.pdf, ComponentLink1URL=http://www.yageo.com/documents/recent/PYu-RC_Group_51_RoHS_L_7.pdf, Digikey=541-162KCCT-ND
R13 R33: library part 200K/R0603/1%, "10 kOhms ±1% 0.125W, 1/8W Chip Resistor 0805 (2012 Metric) Thick Film", Operating Temperature="-55°C ~ 155°C", Package / Case="0603 (1608 Metric)", Power (Watts)="0.1W, 1/10W", Supplier Device Package=0603, Category=Resistors, ComponentLink1Description=http://www.yageo.com/documents/recent/PYu-RC_Group_51_RoHS_L_7.pdf, ComponentLink1URL=http://www.yageo.com/documents/recent/PYu-RC_Group_51_RoHS_L_7.pdf, Digikey=A126332CT-ND, Failure Rate=-, Features="Moisture Resistant", Height - Seated (Max)="0.022\" (0.55mm)", Part Status=Active, RoHS="RoHS Compliant", Size / Dimension="0.063\" L x 0.031\" W (1.60mm x 0.80mm)"
R14: library part 200K/R0603/1%, "0 Ohms Jumper 0.125W, 1/8W Chip Resistor 0805 (2012 Metric) Automotive AEC-Q200 Thick Film", ComponentLink1Description=http://www.yageo.com/documents/recent/PYu-RC_Group_51_RoHS_L_7.pdf, ComponentLink1URL=http://www.yageo.com/documents/recent/PYu-RC_Group_51_RoHS_L_7.pdf, Digikey=541-0.0ACT-ND, Failure Rate=-, Height - Seated (Max)="0.022\" (0.55mm)", Part Status=Active
R15 R17 R22: library part 10K/R0603/1%, "RES SMD 10K OHM 1% 1/10W 0603", Manufacturer=Yageo, Manufacturer Part Number=RC0603FR-0710KL, Operating Temperature="-55°C ~ 155°C", Package / Case="0603 (1608 Metric)", Power (Watts)="0.1W, 1/10W", Resistance (Ohms)=10k, Supplier Device Package=0603, Supplier Part Number 1=311-10.0KHRTR-ND, Temperature Coefficient=±100ppm/°C, Tolerance=±1%, Category=Resistors, ComponentLink1Description=http://www.yageo.com/NewPortal/yageodocoutput?fileName=/pdf/R-Chip/PYu-RC_Group_51_RoHS_L_3.pdf, ComponentLink1URL=http://www.yageo.com/NewPortal/yageodocoutput?fileName=/pdf/R-Chip/PYu-RC_Group_51_RoHS_L_3.pdf, Composition="Thick Film", Features="Moisture Resistant", Height="0.022\" (0.55mm)", Number of Terminations=2, Packaging="Tape & Reel (TR)", Pricing 1="5000=0.00167, 10000=0.00145, 25000=0.00128, 50000=0.00117, 125000=0.00115 (USD)", RoHS="RoHS Compliant", Size / Dimension="0.063\" L x 0.031\" W (1.60mm x 0.80mm)", Stock 1=11440000, Supplier 1=Digi-Key
R16 R18 R23: library part 10K/R0603/1%, "1 kOhms ±1% 0.125W, 1/8W Chip Resistor 0805 (2012 Metric) Automotive AEC-Q200 Thick Film", Operating Temperature="-55°C ~ 155°C", Package / Case="0603 (1608 Metric)", Power (Watts)="0.1W, 1/10W", Resistance (Ohms)=10k, Supplier Device Package=0603, Category=Resistors, ComponentLink1Description=http://www.yageo.com/NewPortal/yageodocoutput?fileName=/pdf/R-Chip/PYu-RC_Group_51_RoHS_L_3.pdf, ComponentLink1URL=http://www.yageo.com/NewPortal/yageodocoutput?fileName=/pdf/R-Chip/PYu-RC_Group_51_RoHS_L_3.pdf, Digikey=541-1.00KCCT-ND, Features="Moisture Resistant", Height="0.022\" (0.55mm)", Number of Terminations=2, RoHS="RoHS Compliant", Size / Dimension="0.063\" L x 0.031\" W (1.60mm x 0.80mm)"
R19 R20 R21 R24 R25 R26 R27 R28 R29 R30 R31 R32: library part 249K/R0805/1%, "RES SMD 249K OHM 1% 1/10W 0805", Manufacturer=Yageo, Manufacturer Part Number=RC0603FR-07249KL, Operating Temperature="-55°C ~ 155°C", Package / Case="0603 (1608 Metric)", Power (Watts)="0.1W, 1/10W", Supplier Device Package=0603, Temperature Coefficient=±100ppm/°C, Tolerance=±1%, Category=Resistors, ComponentLink1Description=http://www.yageo.com/documents/recent/PYu-RC_Group_51_RoHS_L_8.pdf, ComponentLink1URL=http://www.yageo.com/documents/recent/PYu-RC_Group_51_RoHS_L_8.pdf, Composition="Thick Film", Failure Rate=-, Features="Moisture Resistant", Height - Seated (Max)="0.022\" (0.55mm)", Packaging="Cut Tape (CT)", Part Status=Active, Pricing 1="1=0.1, 10=0.015, 100=0.006, 1000=0.00268, 2500=0.00233 (USD)", RoHS="RoHS Compliant", Size / Dimension="0.063\" L x 0.032\" W (1.60mm x 0.80mm)", Stock 1=370515, Supplier 1=Digi-Key
R34: library part 200K/R0603/1%, "1 kOhms ±1% 0.125W, 1/8W Chip Resistor 0805 (2012 Metric) Automotive AEC-Q200 Thick Film", Operating Temperature="-55°C ~ 155°C", Package / Case="0603 (1608 Metric)", Power (Watts)="0.1W, 1/10W", Supplier Device Package=0603, Category=Resistors, ComponentLink1Description=http://www.yageo.com/documents/recent/PYu-RC_Group_51_RoHS_L_7.pdf, ComponentLink1URL=http://www.yageo.com/documents/recent/PYu-RC_Group_51_RoHS_L_7.pdf, Digikey=541-1.00KCCT-ND, Failure Rate=-, Features="Moisture Resistant", Height - Seated (Max)="0.022\" (0.55mm)", Part Status=Active, RoHS="RoHS Compliant", Size / Dimension="0.063\" L x 0.031\" W (1.60mm x 0.80mm)"
R35 R36: library part 34.8K/R0805/1%, "1 kOhms ±1% 0.125W, 1/8W Chip Resistor 0805 (2012 Metric) Automotive AEC-Q200 Thick Film", Case Code (Imperial)=0603, Case Code (Metric)=1608, Max Operating Temperature=155°C, Min Operating Temperature=-55°C, Power Rating=100mW, Resistance=34.8kR, Voltage Rating=50V, Case/Package=0603, Depth=0.8mm, Digikey=541-1.00KCCT-ND, Height=0.45mm, Lead Free="Lead Free", Length=1.6mm, Military Standard=Not, Termination=SMD/SMT, Voltage Rating (DC)=50V, Width=0.8mm
R37: library part 34.8K/R0805/1%, "4.7 kOhms ±1% 0.125W, 1/8W Chip Resistor 0805 (2012 Metric) Thick Film", Digikey=541-4131-1-ND
R38 R39: library part 34.8K/R0805/1%, "10 kOhms ±1% 0.125W, 1/8W Chip Resistor 0805 (2012 Metric) Thick Film", Case Code (Imperial)=0603, Case Code (Metric)=1608, Max Operating Temperature=155°C, Min Operating Temperature=-55°C, Power Rating=100mW, Resistance=34.8kR, Voltage Rating=50V, Case/Package=0603, Depth=0.8mm, Digikey=A126332CT-ND, Height=0.45mm, Lead Free="Lead Free", Length=1.6mm, Military Standard=Not, Termination=SMD/SMT, Voltage Rating (DC)=50V, Width=0.8mm
R40: library part R0805, "Resistor SMD 0805", LatestRevisionDate=17-Jul-2002, LatestRevisionNote="Re-released for DXP Platform.", PackageReference=AXIAL-0.4, Published=8-Jun-2000, Publisher="Altium Limited"
R41 R42 R43: library part 22R/R0603/1%, "RES SMD 22 OHM 1% 1/10W 0603", Manufacturer=Yageo, Manufacturer Part Number=RC0603FR-0722RL, Operating Temperature="-55°C ~ 155°C", Package / Case="0603 (1608 Metric)", Power (Watts)="0.1W, 1/10W", Resistance (Ohms)=22, Supplier Device Package=0603, Supplier Part Number 1=311-22.0HRCT-ND, Temperature Coefficient=±100ppm/°C, Tolerance=±1%, Category=Resistors, ComponentLink1Description=http://www.yageo.com/NewPortal/yageodocoutput?fileName=/pdf/R-Chip/PYu-RC_Group_51_RoHS_L_3.pdf, ComponentLink1URL=http://www.yageo.com/NewPortal/yageodocoutput?fileName=/pdf/R-Chip/PYu-RC_Group_51_RoHS_L_3.pdf, Composition="Thick Film", Features="Moisture Resistant", Height="0.022\" (0.55mm)", Number of Terminations=2, Packaging="Cut Tape (CT)", RoHS="RoHS Compliant", Size / Dimension="0.063\" L x 0.031\" W (1.60mm x 0.80mm)", Supplier 1=Digi-Key
R44 R45 R46 R47 R48 R49: "Resistor SMD 0805", LatestRevisionDate=17-Jul-2002, LatestRevisionNote="Re-released for DXP Platform.", PackageReference=AXIAL-0.4, Published=8-Jun-2000, Publisher="Altium Limited"
RL1 RL2: "General Purpose Relay SPST-NO (1 Form A) 5VDC Coil Through Hole", Digikey=T9GV1L14-5
SW1 SW2: library part SW2, "SWITCH TACTILE SPST-NO 0.05A 12V", Digikey=CKN10384CT-ND
U1: "Voltage Regulators - Switching Regulators 60 Vin,3.5 A,SD DC-DC Converter", Case/Package="DDA R-PDSO-G8", Manufacturer="Texas Instruments", Manufacturer Part Number=TPS54360DDAR, Max Input Voltage=60V, Max Operating Temperature=125°C, Max Output Current=3.5A, Max Output Voltage=58.8V, Min Input Voltage=4.5V, Min Operating Temperature=-40°C, Min Output Voltage=800mV, Package Quantity=2500, Quiescent Current=146uA, Supplier Part Number 1=296-37676-1-ND, Switching Frequency=2.5MHz, Contact Plating=Gold, Lead Free="Lead Free", Mount="Surface Mount", Number of Outputs=1, Number of Pins=8, Operating Supply Voltage=60V, Output Configuration=Positive, Output Current=3.5A, Output Type=Adjustable, Output Voltage=58.8V, Packaging="Tape and Reel", Pricing 1="1=4.32, 10=3.883, 100=3.1815, 500=2.7083, 1000=2.2841 (USD)", Radiation Hardening=No, REACH SVHC="No SVHC", Stock 1=40955, Supplier 1=Digi-Key, Synchronous Rectifier=Yes
U2: library part 21#TPS54360DDAR, "Buck, Split Rail Switching Regulator IC Positive Adjustable 0.8V 1 Output 3.5A 8-PowerSOIC (0.154\", 3.90mm Width)", Digikey=296-37676-1-ND
U3 U4: "LDO Regulator Pos 3.3V 0.3A 5-Pin SOT-23 T/R", Case/Package=SOT-23-5, Dropout Voltage=125mV, Manufacturer="Texas Instruments", Manufacturer Part Number=TLV73333PDBVR, Max Input Voltage=5.5V, Max Operating Temperature=125°C, Max Output Current=300mA, Min Current Limit=360mA, Min Input Voltage=1.4V, Min Operating Temperature=-40°C, Output Voltage=3.3V, Package Quantity=3000, Quiescent Current=60uA, Supplier Part Number 1=93X6756, Accuracy=1%, Contact Plating=Gold, Lead Free="Lead Free", Mount="Surface Mount", Number of Outputs=1, Number of Pins=5, Number of Regulators=1, Output Current=300mA, Output Type=Fixed, Packaging="Tape and Reel", Polarity=Positive, Radiation Hardening=No, Supplier 1=Newark, Weight=0.000557oz
U5: "ESP-WROOM-32 (8MB), WIFI MODULE 64 MBITS SPI FLASH", Digikey=1904-1019-1-ND
U6 U7 U8 U9 U10 U11 U12 U13: library part PC817, "Optoisolator Transistor Output 5000Vrms 1 Channel 4-SOP", Digikey=TPC817S1BRAGCT-ND
  U7 U8: BuyVN=https://banlinhkien.vn/goods-1134-pc817-el817-sop4-opto.html
U14: library part 20#TLV73333PDBVR, "Linear Voltage Regulator IC Positive Fixed 1 Output 3.3V 300mA SOT-23-5", Digikey=296-40673-1-ND
USB1: library part USB_MINI, "USB - micro B USB 2.0 Receptacle Connector 5 Position Surface Mount, Right Angle; Through Hole", BuyVN=https://banlinhkien.vn/goods-5145-microusb-mk5p-dip.html, Digikey=609-4618-1-ND

## Via types
v1: diameter 0.7, hole 0.4, Top to Bottom, 92 vias
v2: diameter 1.1, hole 0.7, Top to GND, 77 vias
v3: diameter 1.1, hole 0.7, Top to POWER, 61 vias
v4: diameter 0.4, hole 0.2, Top to GND, 6 vias
v5: diameter 3, hole 3, Top to Bottom, 4 vias
v6: diameter 1.1, hole 0.7, Top to Bottom, 1 vias

## Nets (pads, with @x,y where several pads share a name; then routed paths per layer and width w, separated by ;. In a path a pad name is that pad's centre, name@x,y a point inside that pad or via, vN(x,y) a via of type N, cw(c..) or ccw(c..) an arc to the next point about the centre after c; other vN are vias at no path point)
3.3V_ESP: C15.1 C17.2 C18.1 C20.2 C21.2 C22.2 C26.1 C27.2 IC3.6 IC3.7 J3.1 J4.1 J5.1 R13.1 R21.2 R24.2 R37.1 U3.5 U4.5 U5.2 U6.4 U7.4 U8.4 U9.1 U10.1 U11.1 U12.1 U13.1 U14.5 | length 39.2
  Top w0.5: v3(21.87,72.38) v3@22.119,72.131
  Top w1: R37.1@18.669,73.377 v3(18.669,75.155) ; v3(23.308,61.206) R24.2@23.308,63.115 ; v3(27.845,61.269) R21.2@27.845,63.115 ; U6.4@28.74,40.128 v3(28.74,41.589) ; U7.4@28.74,48.891 v3(28.74,50.479) ; v3(34.732,67.182) U14.5@34.732,68.775 ; C26.1@46.355,68.498 46.423,68.43 J5.1@48.884,68.43 ; v3(46.482,73.628) C27.2@46.482,75.371 ; v2(55.656,29.405) R13.1@55.656,31.227 ; v3(66.294,29.562) C22.2@66.294,31.391 ; v3(71.628,29.562) C21.2@71.628,31.302 ; U4.5@72.62,20.083 v3(72.62,21.537) ; v3(75.909,16.391) C18.1@75.909,19.021 ; v3(85.262,41.208) U10.1@87.097,41.208 ; C20.2@85.852,19.873 J4.1@85.852,21.815 ; C17.2@85.852,25.207 J3.1@85.852,27.276 ; v3(94.506,41.208) U12.1@96.114,41.208 ; v3(103.862,41.208) U9.1@105.385,41.208 ; v3@112.754,41.2 v3(112.684,41.13) 114.07,41.13 U11.1@114.148,41.208 ; U5.2@119.154,12.82 v3(121.724,12.82) ; v3(120.262,41.208) U13.1@122.022,41.208
  other v3: 72.596,26.593 75.692,26.641 28.559,58.938
4.4V: C4.1 C5.2 C16.2 C19.2 C29.1 C30.1 IC4.34 IC4.35 J1.1 L1.2 R1.2 R44.1 R45.1 U3.1 U3.3 U4.1 U4.3 | length 21.7
  Top w0.7: v3(52.984,70.03) 54.184,70.03 ; v3(69.659,16.925) v3@69.659,17.243
  Top w1: C30.1@37.465,45.739 38.284,46.558 v3(38.284,47.93) ; C29.1@38.227,50.898 v3(39.916,50.898) ; v3(55.118,38.566) R44.1@55.118,40.065 ; v3(55.118,45.764) R45.1@55.118,47.647 ; L1.2@58.039,27.135 v3(58.039,29.385) ; R1.2@63.413,7.058 v3(63.413,8.821) ; C19.2@65.913,19.746 66.712,20.545 v3(67.31,20.545) ; C16.2@65.913,24.826 v3(65.913,26.514) ; C5.2@67.818,13.219 J1.1@67.818,15.338 ; v3(72.491,9.623) C4.1@75.533,9.623
  other v3: 69.596,22.069 69.596,26.514